# Altium PCB 400092.PcbDoc (part 1 of 3) (continued)
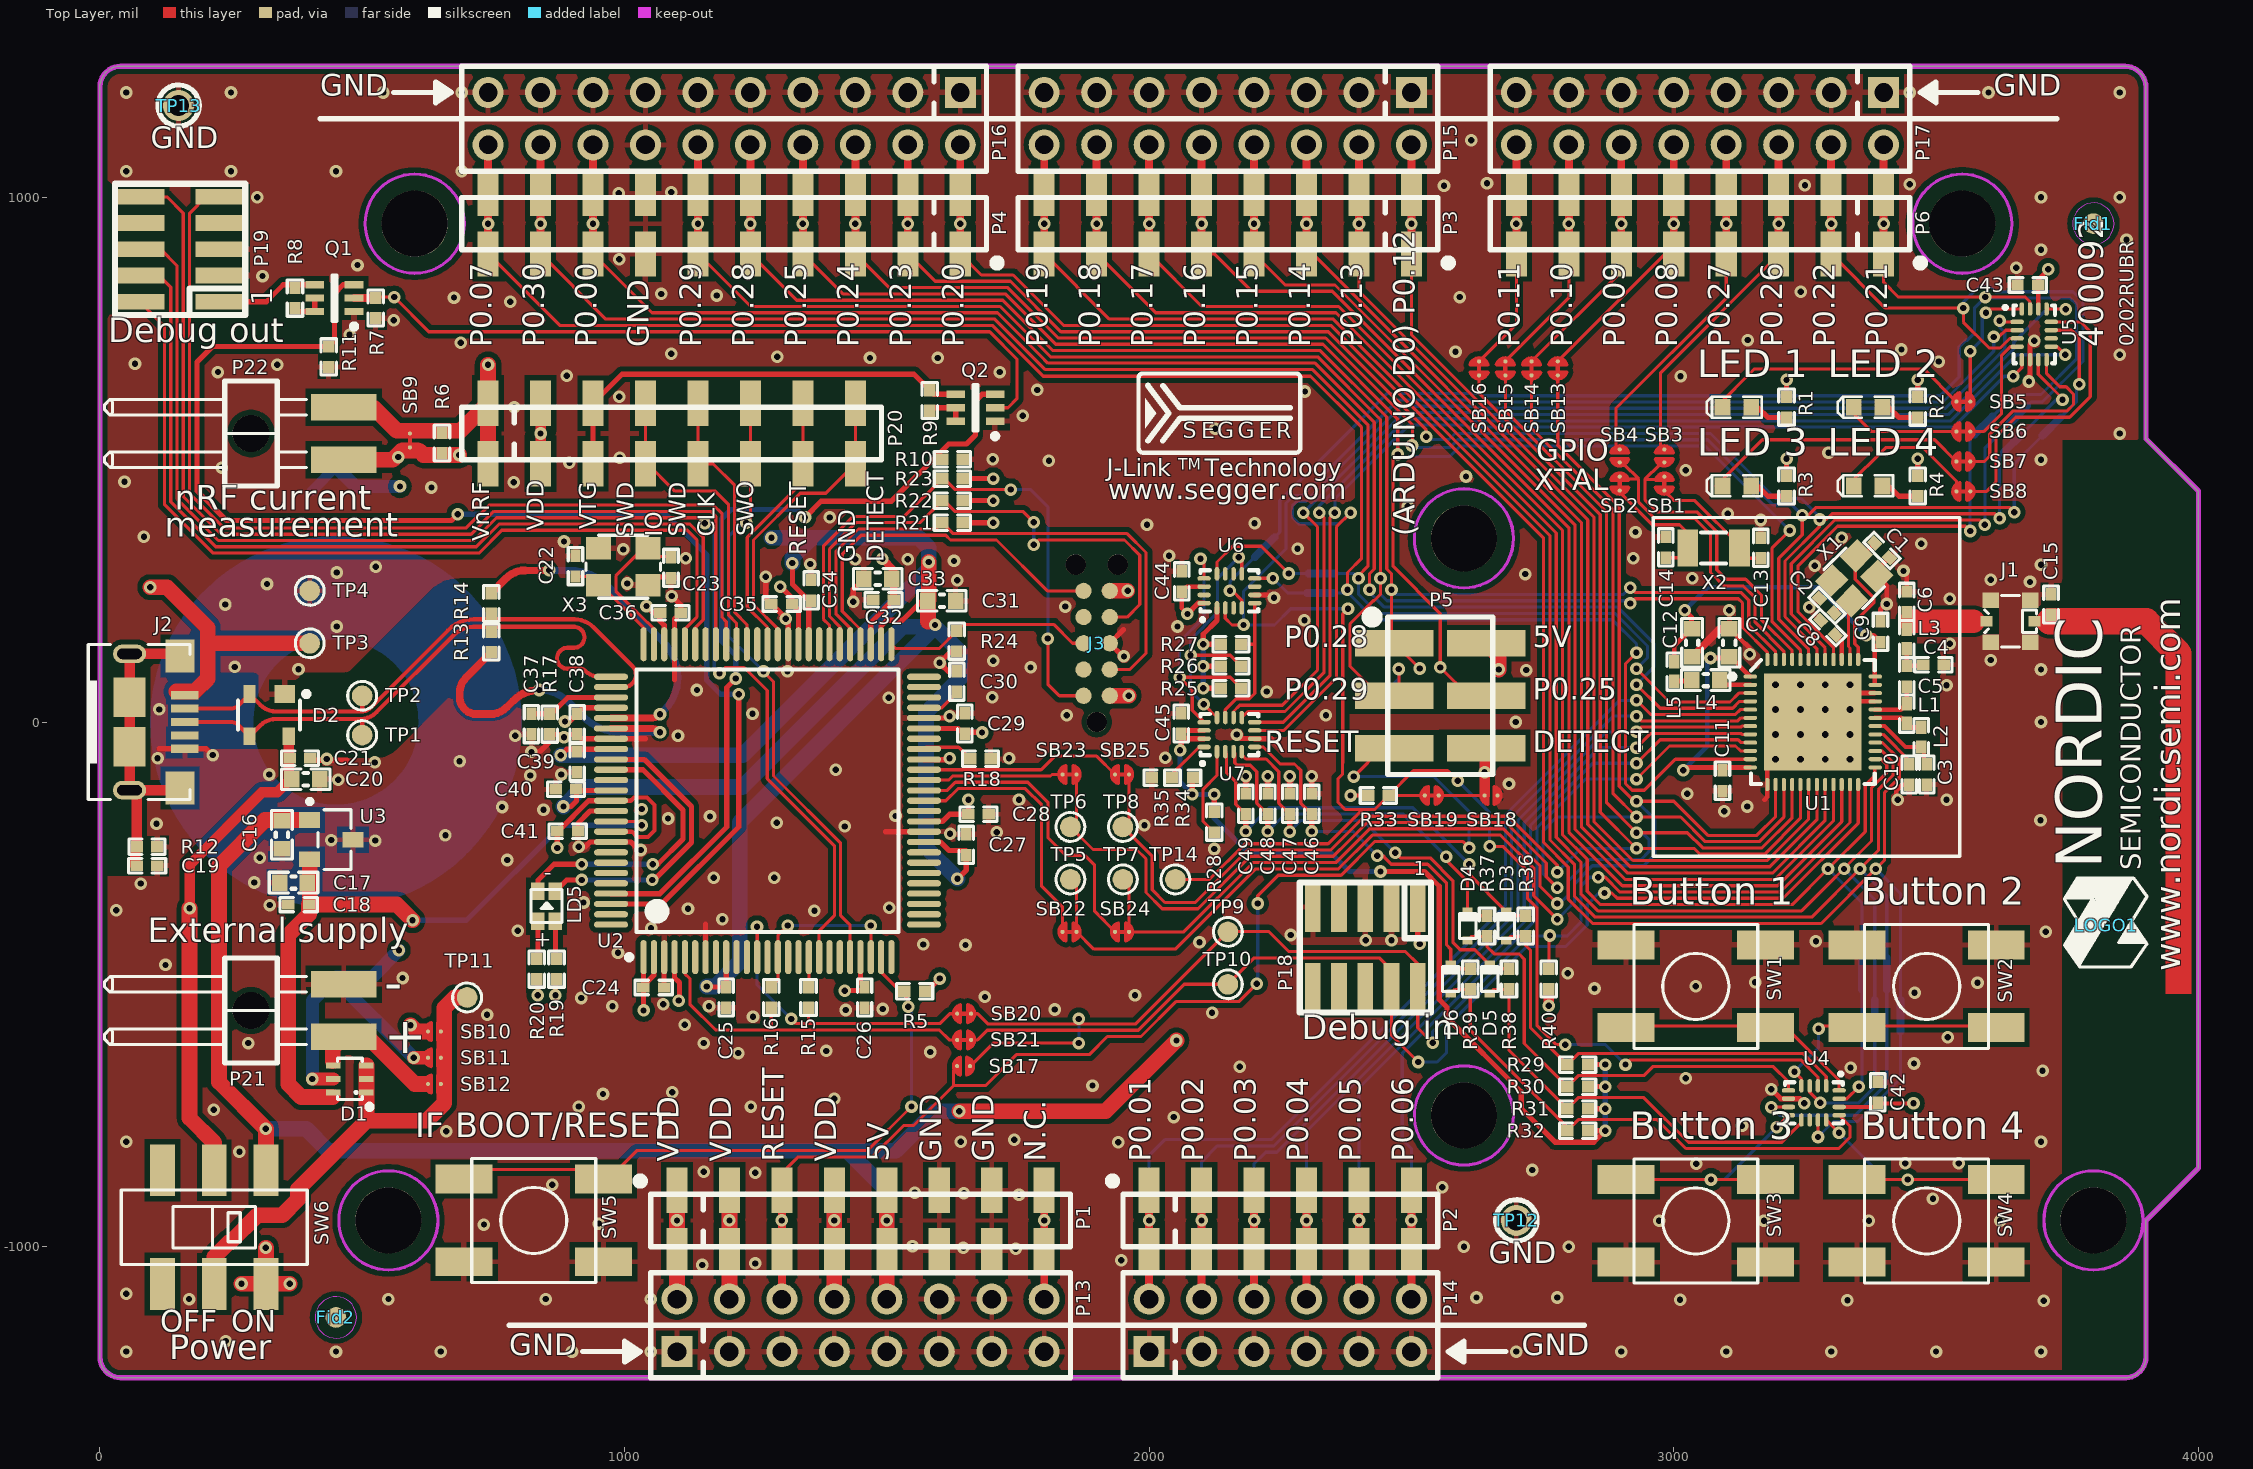
[diagram p0: Top Layer view]
## Components (designator, comment, footprint, x,y, rotation, side; value= is the part's Value field where it differs from the comment)
Bat1 "Bat Holder CR2032" CR2032_HOLDER_SMD 449.91,0 r270 bottom
C1 "12pF" CAPC1005X04L 3397,327 r315 top (schematic designator C7)
C2 "12pF" CAPC1005X04L 3292,222 r135 top
C3 "2.2nF" CAPC1005X04L 3482,-100 r270 top
C4 "1.0pF" CAPC1005X04L 3495,109 r0 top
C5 "3.9pF" CAPC1005X04L 3444,87 r90 top
C6 "1.5pF" CAPC1005X04L 3444,229 r90 top
C7 "4.7µF" CAPC1608X06L 3106,151 r90 top (schematic designator C9)
C8 "100nF" CAPC1005X04L 3294,180 r135 top (schematic designator C10)
C9 "1.0nF" CAPC1005X04L 3394,172 r90 top (schematic designator C8)
C10 "47nF" CAPC1005X04L 3449,-100 r270 top (schematic designator C11)
C11 "100nF" CAPC1005X04L 3093,-112 r270 top (schematic designator C12)
C12 "1.0µF" CAPC1608X06L 3035,151 r90 top (schematic designator C11)
C13 "12pF" CAPC1005X04L 3166.02,331.87 r90 top
C14 "12pF" CAPC1005X04L 2985.02,332.87 r90 top
C15 "1.2pF" CAPC1005X04L 3719,224 r90 top
C16 "1.0µF" CAPC1608X06L 347,-215 r90 top
C17 "1.0µF" CAPC1608X06L 369,-306 r0 top
C18 "100nF" CAPC1005X04L 379,-348 r0 top
C19 "100nF" CAPC1005X04L 90,-274 r180 top
C20 "10µF" CAPC1608X06L 392.61,-109 r180 top
C21 "100nF" CAPC1005X04L 381.61,-69 r180 top
C22 "18pF" CAPC1005X04L 906.61,297 r90 top
C23 "18pF" CAPC1005X04L 1088.61,294 r270 top
C24 "100nF" CAPC1005X04L 1055.61,-506 r180 top
C25 "100nF" CAPC1005X04L 1193.61,-525 r90 top
C26 "100nF" CAPC1005X04L 1457.61,-525 r90 top
C27 "100nF" CAPC1005X04L 1651.61,-234 r270 top
C28 "100nF" CAPC1005X04L 1674.61,-176 r180 top
C29 "100nF" CAPC1005X04L 1648.61,-3 r270 top
C30 "10nF" CAPC1005X04L 1633.61,77 r270 top
C31 "10µF" CAPC1608X06L 1605,231 r180 top
C32 "100nF" CAPC1005X04L 1493.61,233 r0 top
C33 "10µF" CAPC1608X06L 1482.61,273 r0 top
C34 "100nF" CAPC1005X04L 1355.61,251 r270 top
C35 "100nF" CAPC1005X04L 1299.61,225 r0 top
C36 "100nF" CAPC1005X04L 1087.61,208 r0 top
C37 "10pF" CAPC1005X04L 822.61,-4 r90 top
C38 "100nF" CAPC1005X04L 909.61,-4 r90 top
C39 "100nF" CAPC1005X04L 909.61,-76 r90 top
C40 "100nF" CAPC1005X04L 888.61,-128 r0 top
C41 "100nF" CAPC1005X04L 891.61,-208 r180 top
C42 "100nF" CAPC1005X04L 3389,-705.94 r270 top
C43 "100nF" CAPC1005X04L 3675,833 r0 top
C44 "100nF" CAPC1005X04L 2062,268 r270 top
C45 "100nF" CAPC1005X04L 2061,-3 r270 top
C46 "1.0µF" CAPC1005X04L 2310,-156 r270 top
C47 "1.0µF" CAPC1005X04L 2268,-156 r90 top
C48 "1.0µF" CAPC1005X04L 2226,-156 r90 top
C49 "1.0µF" CAPC1005X04L 2184,-156 r270 top
D1 "SD103ATW-7-F" SOT-363 508,-706 r90 top
D2 "PRTR5V0U2X" SOT190P230X110-4L 322.61,13 r270 top
D3 "1PS79SB30.115" SOD-523 2681,-389 r270 top
D4 "1PS79SB30.115" SOD-523 2607,-389 r270 top
D5 "1PS79SB30.115" SOD-523 2649,-490 r270 top
D6 "1PS79SB30.115" SOD-523 2575,-490 r270 top
Fid1 "Fiducial mark" Fiducial 3800,950 r180 top
Fid2 "Fiducial mark" Fiducial 450,-1135 r0 top
J1 "MM8130-2600" COAXIAL-SWF 3642,192 r90 top
J2 "MicroUSB-B" FCI_10118193-0001LF 161.84,0 r0 top
J3 "TC2050-IDC" TC2050-IDC-NLFP 1900,150 r90 top
L1 "4.7nH" INDC1005X04L 3444,16 r90 top
L2 "27nH" INDC1005X04L 3472,-29 r90 top
L3 "3.3nH" INDC1005X04L 3444,158 r90 top
L4 "10µH" INDC1608X06L 3061,80 r180 top (schematic designator L5)
L5 "15nH" INDC1005X04L 3001,96 r90 top (schematic designator L6)
LD5 "LTST-C195KGJRKT" LED_DUAL_0606 851.61,-351 r180 top (schematic designator LD3)
"LED 1" "L0603G" LED_0603_G 3120.37,600 r0 top
"LED 2" "L0603G" LED_0603_G 3370.37,600 r0 top
"LED 3" "L0603G" LED_0603_G 3120.37,450 r0 top
"LED 4" "L0603G" LED_0603_G 3370.37,450 r0 top
LOGO1 "Nordic Logo M" NORDIC_LOGO_M 3824,-387 r90 top
P1 "Socket 1x8" SOCKET_1x8_SMD 1100,-950 r0 top locked (schematic designator P11)
P2 "Socket 1x6" SOCKET_1x6_SMD 2000,-950 r0 top locked (schematic designator P12)
P3 "Socket 1x8" SOCKET_1x8_SMD 2500,950 r180 top locked (schematic designator P8)
P4 "Socket 1x10" SOCKET_1x10_SMD 1640,950 r180 top locked (schematic designator P9)
P5 "Pin Hdr 2x3" "Molex 15-91-2060" 2555,50 r270 top locked (schematic designator P6)
P6 "Socket 1x8" SOCKET_1x8_SMD 3400,950 r180 top locked (schematic designator P5)
P7 "Pin List 1x8" LIST_1x8_SMD 1100,-950 r0 bottom locked (schematic designator POWER)
P8 "Pin List 1x6" LIST_1x6_SMD 2000,-950 r0 bottom locked (schematic designator AD)
P9 "Pin List 1x8" LIST_1x8_SMD 2500,950 r180 bottom locked (schematic designator IOL)
P10 "Pin List 1x10" LIST_1x10_SMD 1640,950 r180 bottom locked (schematic designator IOH)
P11 "Socket 2x3" SOCKET_2x3_SMD-2.54mm-bottom 2555,50 r270 top locked (schematic designator ICSP)
P12 "Pin List 1x8" LIST_1x8_SMD 3400,950 r180 bottom locked
P13 "Pin Header 2x8" HDR_2x8 1450,-1150 r0 top locked
P14 "Pin Header 2x6" HDR_2x6 2250,-1150 r0 top locked
P15 "Pin Header 2x8" HDR_2x8 2150,1150 r180 top locked
P16 "Pin Header 2x10" HDR_2x10 1190,1150 r180 top locked
P17 "Pin Header 2x8" HDR_2x8 3050,1150 r180 top locked
P18 "FTSH-105" FTSH-105-K 2412,-429.83 r180 top
P19 "FTSH-105" FTSH-105-K 153,901 r90 top locked
P20 "Pin List 1x8" LIST_1x8_SMD 740,550 r0 top locked
P21 "Pin List 1x2, Angled" LIST_ANG_1x2-SMD-2.54MM 465,-550 r270 top
P22 "Pin List 1x2, Angled" LIST_ANG_1x2-SMD-2.54MM 465,550 r270 top
Q1 "FDG6321C" SOT65P210X100-6N 447,808 r180 top
Q2 "FDG6321C" SOT65P210X100-6N 1669,599 r180 top
R1 "220R" RESC1005X04L 3215,600 r90 top
R2 "220R" RESC1005X04L 3465,600 r90 top
R3 "220R" RESC1005X04L 3215,450 r90 top
R4 "220R" RESC1005X04L 3465,450 r90 top
R5 "10k" RESC1005X04L 1553,-513 r0 top
R6 "N.C." RESC1005X04L 652,532 r90 top
R7 "4k7" RESC1005X04L 526,789 r270 top
R8 "10k" RESC1005X04L 372,808 r270 top
R9 "10k" RESC1005X04L 1582,613 r270 top
R10 "10k" RESC1005X04L 1625,501 r180 top
R11 "10k" RESC1005X04L 436,696 r90 top
R12 "10k" RESC1005X04L 90,-238 r180 top
R13 "39R" RESC1005X04L 746.01,152.4 r90 top
R14 "39R" RESC1005X04L 746.01,225.94 r270 top
R15 "150R" RESC1005X04L 1350.61,-525 r270 top
R16 "150R" RESC1005X04L 1279.61,-525 r270 top
R17 "6k8" RESC1005X04L 857.61,-4 r90 top
R18 "1k" RESC1005X04L 1678.61,-70 r180 top
R19 "220R" RESC1005X04L 870.34,-471 r270 top
R20 "220R" RESC1005X04L 832.87,-471 r270 top
R21 "4k7" RESC1005X04L 1625,380 r0 top
R22 "4k7" RESC1005X04L 1625,422 r0 top
R23 "4k7" RESC1005X04L 1625,464 r0 top
R24 "4k7" RESC1005X04L 1633.61,154 r270 top
R25 "4k7" RESC1005X04L 2156,64.17 r180 top
R26 "4k7" RESC1005X04L 2156,106.17 r180 top
R27 "12k" RESC1005X04L 2156,148.17 r180 top
R28 "12k" RESC1005X04L 2124,-191 r90 top
R29 "12k" RESC1005X04L 2816.79,-653 r0 top
R30 "12k" RESC1005X04L 2816.79,-695 r0 top
R31 "12k" RESC1005X04L 2816.79,-737 r0 top
R32 "12k" RESC1005X04L 2816.79,-779 r0 top
R33 "1M0" RESC1005X04L 2437,-140 r180 top
R34 "N.C." RESC1005X04L 2064,-106 r0 top
R35 "0R" RESC1005X04L 2024.75,-106 r0 top
R36 "18k" RESC1005X04L 2718,-389 r270 top
R37 "18k" RESC1005X04L 2644,-389 r270 top
R38 "18k" RESC1005X04L 2686,-490 r270 top
R39 "18k" RESC1005X04L 2612,-490 r270 top
R40 "18k" RESC1005X04L 2762,-490 r270 top
SB1 "Solderbridge" Solderbridge_Shorted 2982,441 r90 top net-tie (schematic designator SB2)
SB2 "Solderbridge" Solderbridge_Shorted 2897,441 r90 top net-tie (schematic designator SB3)
SB3 "Solderbridge" Solderbridge#1 2982,495 r90 top (schematic designator SB4)
SB4 "Solderbridge" Solderbridge#1 2897,495 r90 top (schematic designator SB5)
SB5 "Solderbridge" Solderbridge_Shorted 3565.25,610.6 r180 top net-tie (schematic designator SB6)
SB6 "Solderbridge" Solderbridge_Shorted 3565.25,553.6 r180 top net-tie
SB7 "Solderbridge" Solderbridge_Shorted 3565.25,496.6 r180 top net-tie
SB8 "Solderbridge" Solderbridge_Shorted 3565.25,439.6 r180 top net-tie
SB9 "Solderbridge" Solderbridge_Shorted 591,550 r270 top net-tie
SB10 "Solderbridge" Solderbridge#1 650,-590 r180 top
SB11 "Solderbridge" Solderbridge#1 650,-640 r180 top
SB12 "Solderbridge" Solderbridge#1 650,-690 r180 top
SB13 "Solderbridge" Solderbridge_Shorted 2778.96,687.32 r270 top net-tie
SB14 "Solderbridge" Solderbridge_Shorted 2728.96,687.32 r270 top net-tie
SB15 "Solderbridge" Solderbridge_Shorted 2678.96,687.32 r270 top net-tie
SB16 "Solderbridge" Solderbridge_Shorted 2628.96,687.32 r270 top net-tie
SB17 "Solderbridge" Solderbridge#2 1634,-656 r0 top
SB18 "Solderbridge" Solderbridge#2 2664,-140 r180 top
SB19 "Solderbridge" Solderbridge_Shorted 2552,-140 r180 top net-tie
SB20 "Solderbridge" Solderbridge_Shorted 1634,-556 r0 top net-tie
SB21 "Solderbridge" Solderbridge_Shorted 1634,-606 r0 top net-tie
SB22 "Solderbridge" Solderbridge_Shorted 1835,-400 r0 top net-tie
SB23 "Solderbridge" Solderbridge_Shorted 1835,-100 r0 top net-tie
SB24 "Solderbridge" Solderbridge_Shorted 1935,-400 r0 top net-tie
SB25 "Solderbridge" Solderbridge_Shorted 1935,-100 r0 top net-tie
SW1 "PB SW" ALPS_SKHUxxx010_WO_GND 3042,-503.94 r0 top
SW2 "PB SW" ALPS_SKHUxxx010_WO_GND 3482,-503.94 r0 top
SW3 "PB SW" ALPS_SKHUxxx010_WO_GND 3042,-950.94 r0 top
SW4 "PB SW" ALPS_SKHUxxx010_WO_GND 3482,-950.94 r0 top
SW5 "PB SW" ALPS_SKHUxxx010_WO_GND 827,-950 r0 top
SW6 "Switch" JS202011SCQN 218,-963 r0 top
TP1 "Ø1.0mm,SMD" TP_SMD_Ø1.0mm 500,-25 r0 top
TP2 "Ø1.0mm,SMD" TP_SMD_Ø1.0mm 500,50 r0 top
TP3 "Ø1.0mm,SMD" TP_SMD_Ø1.0mm 400,150 r0 top
TP4 "Ø1.0mm,SMD" TP_SMD_Ø1.0mm 400,250 r0 top
TP5 "Ø1.0mm,SMD" TP_SMD_Ø1.0mm 1850,-300 r0 top locked
TP6 "Ø1.0mm,SMD" TP_SMD_Ø1.0mm 1850,-200 r0 top locked
TP7 "Ø1.0mm,SMD" TP_SMD_Ø1.0mm 1950,-300 r0 top locked
TP8 "Ø1.0mm,SMD" TP_SMD_Ø1.0mm 1950,-200 r0 top locked
TP9 "Ø1.0mm,SMD" TP_SMD_Ø1.0mm 2150,-400 r0 top locked
TP10 "Ø1.0mm,SMD" TP_SMD_Ø1.0mm 2150,-500 r0 top locked
TP11 "Ø1.0mm,SMD" TP_SMD_Ø1.0mm 700,-525 r270 top (schematic designator TP9)
TP12 "TP" TESTPAD-TH 2700,-950 r0 top
TP13 "TP" TESTPAD-TH 150,1175 r0 top
TP14 "Ø1.0mm,SMD" TP_SMD_Ø1.0mm 2050,-300 r0 top locked
U1 "nRF51422-QFAC" QFN40P600X600X90-48N 3265,0 r0 top locked
U2 "ATSAM3U2CA-AU" TSQFP50P1600X1600X160-100N 1272.61,-150 r90 top locked
U3 "AP7333-33SAG-7" SOT-23A 400,-187 r270 top
U4 "NX3DV2567" XQFN40P180X260X50-16N 3267,-725.94 r270 top
U5 "NX3DV2567" XQFN40P180X260X50-16N 3687,739 r0 top
U6 "NX3DV2567" XQFN40P180X260X50-16N 2153,250 r90 top
U7 "PCAL6408A" XQFN40P180X260X50-16N 2153,-24 r90 top
X1 "16MHz" BT-XTAL_2520 3344,274 r225 top
X2 "32.768kHz" XTAL_3215 3076.02,331.87 r180 top
X3 "12MHz" BT-XTAL_3225 997.61,296 r180 top

## Footprints (in the part's own frame and the unit in brackets; to place one, negate y for a bottom-side part, rotate by r counter-clockwise, add the part's x,y. Pads: shape width x height; smd on the part's side, far side on the other; paste and mask are expansions set on the pad)
ALPS_SKHUxxx010_WO_GND [mm] "6.2×6.5mm TACT Switch, without ground connector"
  rect 2.75x1.4 smd: 1(-3.375,2) 1(3.375,2) 2(-3.375,-2) 2(3.375,-2)
  silkscreen extent -3,-3 3,3, body extent -4,-3 4,3.3, height 3.1
BT-XTAL_2520 [mm] "TSX-2520"
  rect 1.2x1.1 smd: 1(-0.85,-0.7) 2(0.85,-0.7) 3(0.85,0.7) 4(-0.85,0.7)
  silkscreen extent -1.55,-1.33 1.53,1.33, body extent -1.25,-1 1.27,1, height 0.56
BT-XTAL_3225 [mm] "Mercury X32 series"
  rect 1.2x1.1 smd: 1(-1.194,-0.89) 2(1.194,-0.89) 3(1.194,0.891) 4(-1.194,0.891)
  silkscreen extent -1.8,-1.52 1.8,1.52, body extent -1.6,-1.25 1.61,1.25, height 0.81
CAPC1005X04L [mm] "Chip Capacitor, 2-Leads, Body 1.0x0.5mm, IPC High Density"
  rect 0.6x0.5 smd: 1(-0.5,0) 2(0.5,0)
  silkscreen extent -0.9,-0.35 0.9,0.35, body extent -0.51,-0.25 0.51,0.25, height 0.5
CAPC1608X06L [mm] "Chip Capacitor, 2-Leads, Body 1.6x0.8mm, IPC High Density"
  rect 0.75x0.8 smd: 1(-0.675,0) 2(0.675,0)
  silkscreen extent -1.18,-0.5 1.17,0.5, body extent -0.8,-0.43 0.8,0.43, height 0.8
COAXIAL-SWF [mm]
  rect 0.5x0.58 smd: 1(0,1.16) 3(0,-1.16)
  rect 0.75x0.8 smd: 2(-1.025,-0.95) 2(-1.025,0.95) 2(1.025,-0.95) 2(1.025,0.95)
  Top Layer pour cut-out: 0.65,-0.55 -0.65,-0.55 -0.65,-1.35 0.65,-1.35
  Top Layer pour cut-out: -0.65,0.55 0.65,0.55 0.65,1.35 -0.65,1.35
  silkscreen extent -1.25,-1.25 1.25,1.25
CR2032_HOLDER_SMD [mm] "CR2032 - SMD mount coin cell bat holder"
  rect 5.08x5.08 smd: 1(-13.081,0) 1(13.081,0)
  rrect50% 10x10 smd paste-9: 2(0,0)
  round 18 on Bottom Solder paste+0: 2(0,0)
  Top Layer circle w5: c0,0 r6.5
  silkscreen extent -10.54,-9.53 10.54,11.43, body extent -15.37,-10.27 15.37,9.78, height 3.96
FCI_10118193-0001LF [mm] "Micro USB B SMT"
  rect 1.35x0.4 smd: 1(0,1.3) 2(0,0.65) 3(0,0) 4(0,-0.65) 5(0,-1.3)
  oval 1.6x0.9 hole 0.5 slot 1.2 at 0 deg: 6(-2.675,-3.3) 6(-2.675,3.3)
  oval 2x1.5 on Top Paste: 6(-2.675,-3.3) 6(-2.675,3.3)
  rect 1.55x1.9 smd: 6(-2.675,-1.2) 6(-2.675,1.2)
  rect 1.4x1.6 smd: 6(-0.225,-3.2) 6(-0.225,3.2)
  silkscreen extent -4.75,-3.75 0.25,3.75, body extent -5.28,-4.1 0.15,4.1, height 2.72
Fiducial [mm] "Fiducial Mark"
  round 1 smd paste-10 mask+0.5: 0(0,0)
  round 1 smd far side paste-10 mask+0.5: 0(0,0)
  Keep-Out Layer circle w0.01: c0,0 r1
FTSH-105-K [mm] "SMT MICRO HEADER, (1,27) .050\" Keying Shroud"
  rect 0.76x2.4 smd: 1(-2.54,-1.95) 2(-2.54,1.95) 3(-1.27,-1.95) 4(-1.27,1.95) 5(0,-1.95) 6(0,1.95) 7(1.27,-1.95) 8(1.27,1.95) 9(2.54,-1.95) 10(2.54,1.95)
  silkscreen extent -3.18,-3.15 3.18,3.15, body extent -3.14,-2.92 3.14,2.92, height 5.71
HDR_2x6 [mm] "Pin Header, 2.54mm through hole"
  rect 1.5x1.5 hole 0.9: 1(-6.35,-1.27)
  round 1.5 hole 0.9: 2(-6.35,1.27) 3(-3.81,-1.27) 4(-3.81,1.27) 5(-1.27,-1.27) 6(-1.27,1.27) 7(1.27,-1.27) 8(1.27,1.27) 9(3.81,-1.27) 10(3.81,1.27) 11(6.35,-1.27) 12(6.35,1.27)
  silkscreen extent -7.62,-2.54 7.62,2.54
HDR_2x8 [mm] "Pin Header, 2.54mm through hole"
  rect 1.5x1.5 hole 0.9: 1(-8.89,-1.27)
  round 1.5 hole 0.9: 2(-8.89,1.27) 3(-6.35,-1.27) 4(-6.35,1.27) 5(-3.81,-1.27) 6(-3.81,1.27) 7(-1.27,-1.27) 8(-1.27,1.27) 9(1.27,-1.27) 10(1.27,1.27) 11(3.81,-1.27) 12(3.81,1.27) 13(6.35,-1.27) 14(6.35,1.27) 15(8.89,-1.27) 16(8.89,1.27)
  silkscreen extent -10.16,-2.54 10.16,2.54
HDR_2x10 [mm] "Pin Header, 2.54mm through hole"
  rect 1.5x1.5 hole 0.9: 1(-11.43,-1.27)
  round 1.5 hole 0.9: 2(-11.43,1.27) 3(-8.89,-1.27) 4(-8.89,1.27) 5(-6.35,-1.27) 6(-6.35,1.27) 7(-3.81,-1.27) 8(-3.81,1.27) 9(-1.27,-1.27) 10(-1.27,1.27) 11(1.27,-1.27) 12(1.27,1.27) 13(3.81,-1.27) 14(3.81,1.27) 15(6.35,-1.27) 16(6.35,1.27) 17(8.89,-1.27) 18(8.89,1.27) 19(11.43,-1.27) 20(11.43,1.27)
  silkscreen extent -12.7,-2.54 12.7,2.54
INDC1005X04L [mm] "Chip Inductor, 2-Leads, Body 1.0x0.5mm, IPC High Density"
  rect 0.65x0.5 smd: 1(-0.475,0) 2(0.475,0)
  silkscreen extent -0.9,-0.35 0.9,0.35, body extent -0.5,-0.3 0.5,0.3, height 0.5
INDC1608X06L [mm] "Chip Inductor, 2-Leads, Body 1.6x0.8mm, IPC High Density"
  rect 0.75x0.8 smd: 1(-0.675,0) 2(0.675,0)
  silkscreen extent -1.18,-0.5 1.17,0.5, body extent -0.8,-0.48 0.8,0.48, height 0.8
JS202011SCQN [mm] "Slide Switches - DPDT, SMD, ON-ON"
  rect 1.2x2.5 smd: 1(-2.5,-2.75) 2(0,-2.75) 3(2.5,-2.75) 4(-2.5,2.75) 5(0,2.75) 6(2.5,2.75)
  silkscreen extent -4.5,-1.8 4.5,1.8, body extent -4.52,-3.75 4.52,3.75, height 5.5
LED_0603_G [mil] "SMD Super Bright LED, GREEN"
  rect 30x32 smd: 1(-27.5,0) 2(27.5,0)
  silkscreen extent -58,-20 48,20, body extent -32,-16 32,16, height 24
LED_DUAL_0606 [mm]
  rect 0.65x0.85 smd paste+0: 1(0.425,0.725) 2(-0.425,0.725) 3(0.425,-0.725) 4(-0.425,-0.725)
  silkscreen extent -0.75,-0.8 0.75,0.8, body extent -0.75,-0.8 0.75,0.8, height 0.55
LIST_1x6_SMD [mm] "Pin List, 2.54mm, SMD"
  rect 1.02x2.19 smd: 1(0,-1.465) 1(0,1.465) 2(2.54,-1.465) 2(2.54,1.465) 3(5.08,-1.465) 3(5.08,1.465) 4(7.62,-1.465) 4(7.62,1.465) 5(10.16,-1.465) 5(10.16,1.465) 6(12.7,-1.465) 6(12.7,1.465)
  silkscreen extent -1.27,-1.27 13.97,1.27
LIST_1x8_SMD [mm] "Pin List, 2.54mm, SMD"
  rect 1.02x2.19 smd: 1(0,-1.465) 1(0,1.465) 2(2.54,-1.465) 2(2.54,1.465) 3(5.08,-1.465) 3(5.08,1.465) 4(7.62,-1.465) 4(7.62,1.465) 5(10.16,-1.465) 5(10.16,1.465) 6(12.7,-1.465) 6(12.7,1.465) 7(15.24,-1.465) 7(15.24,1.465) 8(17.78,-1.465) 8(17.78,1.465)
  silkscreen extent -1.27,-1.27 19.05,1.27
LIST_1x10_SMD [mm] "Pin List, 2.54mm, SMD"
  rect 1.02x2.19 smd: 1(0,-1.465) 1(0,1.465) 2(2.54,-1.465) 2(2.54,1.465) 3(5.08,-1.465) 3(5.08,1.465) 4(7.62,-1.465) 4(7.62,1.465) 5(10.16,-1.465) 5(10.16,1.465) 6(12.7,-1.465) 6(12.7,1.465) 7(15.24,-1.465) 7(15.24,1.465) 8(17.78,-1.465) 8(17.78,1.465) 9(20.32,-1.465) 9(20.32,1.465) 10(22.86,-1.465) 10(22.86,1.465)
  silkscreen extent -1.27,-1.27 24.13,1.27
LIST_ANG_1x2-SMD-2.54MM [mm] "Pin List, 2.54mm, Surface Mount, Angled"
  round 1.78 hole 1.78: 0(0,-4.496)
  rect 1.27x3.18 smd: 1(-1.27,0) 2(1.27,0)
  silkscreen extent -2.54,-11.58 2.54,-1.8, body extent -2.56,-11.61 2.52,1.35, height 3.03
"Molex 15-91-2060" [mil] "MOLEX - 15-91-2060 - BOARD-BOARD CONN, HEADER, 6WAY, 2ROW"
  rect 50x150 smd: 1(-100,-87.5) 2(-100,87.5) 3(0,-87.5) 4(0,87.5) 5(100,-87.5) 6(100,87.5)
  silkscreen extent -160,-140 150,100, body extent -150,-148 150,148, height 382
NORDIC_LOGO_M [mil] "Medium Nordic Logo"
  silkscreen extent -80,-78 90,80
QFN40P600X600X90-48N [mm] "QFN, 48-Leads, Body 6,0x6,0mm (max), Pitch 0,40mm, IPC Medium Density"
  oval 0.65x0.2 smd: 1(-3.025,2.2) 2(-3.025,1.8) 3(-3.025,1.4) 4(-3.025,1) 5(-3.025,0.6) 6(-3.025,0.2) 7(-3.025,-0.2) 8(-3.025,-0.6) 9(-3.025,-1) 10(-3.025,-1.4) 11(-3.025,-1.8) 12(-3.025,-2.2) 25(3.025,-2.2) 26(3.025,-1.8) 27(3.025,-1.4) 28(3.025,-1) 29(3.025,-0.6) 30(3.025,-0.2) 31(3.025,0.2) 32(3.025,0.6) 33(3.025,1) 34(3.025,1.4) 35(3.025,1.8) 36(3.025,2.2)
  oval 0.2x0.65 smd: 13(-2.2,-3.025) 14(-1.8,-3.025) 15(-1.4,-3.025) 16(-1,-3.025) 17(-0.6,-3.025) 18(-0.2,-3.025) 19(0.2,-3.025) 20(0.6,-3.025) 21(1,-3.025) 22(1.4,-3.025) 23(1.8,-3.025) 24(2.2,-3.025) 37(2.2,3.025) 38(1.8,3.025) 39(1.4,3.025) 40(1,3.025) 41(0.6,3.025) 42(0.2,3.025) 43(-0.2,3.025) 44(-0.6,3.025) 45(-1,3.025) 46(-1.4,3.025) 47(-1.8,3.025) 48(-2.2,3.025)
  rect 4.7x4.7 smd: 49(0,0)
  silkscreen extent -4.02,-3 3,3, body extent -3,-3 3,3, height 0.9
RESC1005X04L [mm] "Chip Resistor, 2-Leads, Body 1.0x0.5mm, IPC High Density"
  rect 0.6x0.55 smd: 1(-0.5,0) 2(0.5,0)
  silkscreen extent -0.88,-0.38 0.87,0.37, body extent -0.5,-0.25 0.5,0.25, height 0.3
SOCKET_1x6_SMD [mm] "Socket, 2.54mm, SMD"
  rect 1.02x2.19 smd: 1(0,-1.465) 1(0,1.465) 2(2.54,-1.465) 2(2.54,1.465) 3(5.08,-1.465) 3(5.08,1.465) 4(7.62,-1.465) 4(7.62,1.465) 5(10.16,-1.465) 5(10.16,1.465) 6(12.7,1.465) 6(12.7,-1.465)
  silkscreen extent -1.27,-1.27 13.97,1.27, body extent -1.27,-2.29 13.97,2.29, height 7.47
SOCKET_1x8_SMD [mm] "Socket, 2.54mm, SMD"
  rect 1.02x2.19 smd: 1(0,-1.465) 1(0,1.465) 2(2.54,-1.465) 2(2.54,1.465) 3(5.08,-1.465) 3(5.08,1.465) 4(7.62,-1.465) 4(7.62,1.465) 5(10.16,-1.465) 5(10.16,1.465) 6(12.7,1.465) 6(12.7,-1.465) 7(15.24,-1.465) 7(15.24,1.465) 8(17.78,-1.465) 8(17.78,1.465)
  silkscreen extent -1.27,-1.27 19.05,1.27, body extent -1.27,-2.29 19.05,2.29, height 7.47
SOCKET_1x10_SMD [mm] "Socket, 2.54mm, SMD"
  rect 1.02x2.19 smd: 1(0,1.465) 1(0,-1.465) 2(2.54,-1.465) 2(2.54,1.465) 3(5.08,-1.465) 3(5.08,1.465) 4(7.62,-1.465) 4(7.62,1.465) 5(10.16,-1.465) 5(10.16,1.465) 6(12.7,-1.465) 6(12.7,1.465) 7(15.24,-1.465) 7(15.24,1.465) 8(17.78,-1.465) 8(17.78,1.465) 9(20.32,-1.465) 9(20.32,1.465) 10(22.86,-1.465) 10(22.86,1.465)
  silkscreen extent -1.27,-1.27 24.13,1.27, body extent -1.27,-2.29 24.13,2.29, height 7.47
SOCKET_2x3_SMD-2.54mm-bottom [mm] "Socket, 2.54mm, SMD"
  rect 1.02x2.22 smd far side: 1(-2.54,-2.825) 2(-2.54,2.825) 3(0,-2.825) 4(0,2.825) 5(2.54,-2.825) 6(2.54,2.825)
SOD-523 [mm]
  rect 0.4x0.5 smd: 1(0.7,0) 3(-0.7,0)
  silkscreen extent -0.6,-0.4 0.6,0.4, body extent -0.8,-0.4 0.8,0.4, height 0.7
Solderbridge#1 [mm]
  round 0.2 smd paste-10: 1(0,0) 2(0.625,0)
  Top Layer region: 0.389,0.432 0.465,0.505 0.583,0.467 0.648,0.424 0.721,0.351 0.775,0.292 0.833,0.193 0.861,0.099 0.856,-0.122 0.831,-0.193 0.747,-0.33 0.663,-0.411 0.571,-0.469 0.47,-0.5 0.419,-0.483 0.389,-0.43
  Top Layer region: 0.236,-0.432 0.16,-0.505 0.042,-0.467 -0.023,-0.424 -0.097,-0.351 -0.15,-0.292 -0.208,-0.193 -0.236,-0.099 -0.231,0.122 -0.206,0.193 -0.122,0.33 -0.038,0.411 0.054,0.469 0.155,0.5 0.206,0.483 0.236,0.43
  Top Layer lines w0.152: 0.159,0.431 ccw(c0.27,0) 0.159,-0.431 ; 0.465,0.431 cw(c0.355,0) 0.465,-0.431
Solderbridge#2 [mm]
  round 0.2 smd paste-10: 1(0,0) 2(0.625,0)
  Top Layer region: 0.236,-0.432 0.16,-0.505 0.042,-0.467 -0.023,-0.424 -0.097,-0.351 -0.15,-0.292 -0.208,-0.193 -0.236,-0.099 -0.231,0.122 -0.206,0.193 -0.122,0.33 -0.038,0.411 0.054,0.469 0.155,0.5 0.206,0.483 0.236,0.43
  Top Layer region: 0.389,0.432 0.465,0.505 0.583,0.467 0.648,0.424 0.721,0.351 0.775,0.292 0.833,0.193 0.861,0.099 0.856,-0.122 0.831,-0.193 0.747,-0.33 0.663,-0.411 0.571,-0.469 0.47,-0.5 0.419,-0.483 0.389,-0.43
  Top Layer lines w0.152: 0.159,-0.431 cw(c0.27,0) -0.149,-0.149 cw(c0.27,0) 0.159,0.431 ; 0.465,-0.431 ccw(c0.355,0) 0.774,0.149 ccw(c0.355,0) 0.465,0.431
Solderbridge_Shorted [mm]
  round 0.2 smd paste-10: 1(0,0) 2(0.676,0)
  Top Layer region: 0.236,-0.432 0.16,-0.505 0.042,-0.467 -0.023,-0.424 -0.097,-0.351 -0.15,-0.292 -0.208,-0.193 -0.236,-0.099 -0.231,0.122 -0.206,0.193 -0.122,0.33 -0.038,0.411 0.054,0.469 0.155,0.5 0.206,0.483 0.236,0.43
  Top Layer region: 0.44,0.432 0.516,0.505 0.634,0.467 0.699,0.424 0.772,0.351 0.826,0.292 0.884,0.193 0.912,0.099 0.907,-0.122 0.881,-0.193 0.798,-0.33 0.714,-0.411 0.622,-0.469 0.521,-0.5 0.47,-0.483 0.44,-0.43
  Top Layer lines w0.152: 0.159,0.431 ccw(c0.27,0) 0.159,-0.431 ; 0.516,0.431 cw(c0.406,0) 0.516,-0.431
  Top Layer lines w0.203: 0,0 0.676,0
SOT65P210X100-6N [mm] "SOT23, 6-Leads, Body 2,2x2,4mm (max), Pitch 0,65mm, IPC Medium Density"
  rect 0.9x0.35 smd: 1(-0.95,0.65) 2(-0.95,0) 3(-0.95,-0.65) 4(0.95,-0.65) 5(0.95,0) 6(0.95,0.65)
  silkscreen extent -1.08,-1.1 0.1,1.5, body extent -1.05,-1 1.05,1, height 0.92
SOT190P230X110-4L [mm] "SOT143, 4-Leads, Body 3.0x2.5mm (max), Pitch 1.90mm, IPC High Density"
  rect 0.85x1 smd: 1(-1.025,0.75)
  rect 0.85x0.6 smd: 2(-1.025,-0.95) 3(1.025,-0.95) 4(1.025,0.95)
  silkscreen extent -1.15,-1.5 0.7,1.93, body extent -1.21,-1.46 1.21,1.46, height 1
SOT-23A [mil] "SOT-23 footprint"
  rect 30x40 smd: 1(0,0) 2(74.8,0) 3(37.4,82.68)
  silkscreen extent -39,-4 94,79, body extent -20,-5 95,87, height 39
SOT-363 [mm] "SOT-363 (SC88)"
  rect 0.3x0.7 smd: 1(0,0) 2(0.65,0) 3(1.3,0) 4(1.3,1.6) 5(0.65,1.6) 6(0,1.6)
  silkscreen extent -0.82,-0.27 1.65,1.4, body extent -0.35,-0.25 1.65,1.85, height 0.93
TC2050-IDC-NLFP [mil]
  round 39 hole 39 unplated: 0(-150,0) 0(150,-40) 0(150,40)
  round 31 smd paste-196.85: 1(-100,-25) 2(-50,-25) 3(0,-25) 4(50,-25) 5(100,-25) 6(100,25) 7(50,25) 8(0,25) 9(-50,25) 10(-100,25)
  Top Layer pour cut-out: -100,25 -100,-25 100,-25 100,25
TESTPAD-TH [mm]
  round 1.5 hole 1: 1(0,0)
  silkscreen extent -1,-1 1,1
TP_SMD_Ø1.0mm [mm]
  round 1 smd paste-5: 1(0,0)
  silkscreen extent -0.7,-0.7 0.7,0.7
TSQFP50P1600X1600X160-100N [mm] "TSQFP, 100-Leads, Body 16,0x16,0mm (max), Pitch 0,50mm, IPC Medium Density"
  oval 1.65x0.3 smd: 1(-7.575,6) 2(-7.575,5.5) 3(-7.575,5) 4(-7.575,4.5) 5(-7.575,4) 6(-7.575,3.5) 7(-7.575,3) 8(-7.575,2.5) 9(-7.575,2) 10(-7.575,1.5) 11(-7.575,1) 12(-7.575,0.5) 13(-7.575,0) 14(-7.575,-0.5) 15(-7.575,-1) 16(-7.575,-1.5) 17(-7.575,-2) 18(-7.575,-2.5) 19(-7.575,-3) 20(-7.575,-3.5) 21(-7.575,-4) 22(-7.575,-4.5) 23(-7.575,-5) 24(-7.575,-5.5) 25(-7.575,-6) 51(7.575,-6) 52(7.575,-5.5) 53(7.575,-5) 54(7.575,-4.5) 55(7.575,-4) 56(7.575,-3.5) 57(7.575,-3) 58(7.575,-2.5) 59(7.575,-2) 60(7.575,-1.5) 61(7.575,-1) 62(7.575,-0.5) 63(7.575,0) 64(7.575,0.5) 65(7.575,1) 66(7.575,1.5) 67(7.575,2) 68(7.575,2.5) 69(7.575,3) 70(7.575,3.5) 71(7.575,4) 72(7.575,4.5) 73(7.575,5) 74(7.575,5.5) 75(7.575,6)
  oval 0.3x1.65 smd: 26(-6,-7.575) 27(-5.5,-7.575) 28(-5,-7.575) 29(-4.5,-7.575) 30(-4,-7.575) 31(-3.5,-7.575) 32(-3,-7.575) 33(-2.5,-7.575) 34(-2,-7.575) 35(-1.5,-7.575) 36(-1,-7.575) 37(-0.5,-7.575) 38(0,-7.575) 39(0.5,-7.575) 40(1,-7.575) 41(1.5,-7.575) 42(2,-7.575) 43(2.5,-7.575) 44(3,-7.575) 45(3.5,-7.575) 46(4,-7.575) 47(4.5,-7.575) 48(5,-7.575) 49(5.5,-7.575) 50(6,-7.575) 76(6,7.575) 77(5.5,7.575) 78(5,7.575) 79(4.5,7.575) 80(4,7.575) 81(3.5,7.575) 82(3,7.575) 83(2.5,7.575) 84(2,7.575) 85(1.5,7.575) 86(1,7.575) 87(0.5,7.575) 88(0,7.575) 89(-0.5,7.575) 90(-1,7.575) 91(-1.5,7.575) 92(-2,7.575) 93(-2.5,7.575) 94(-3,7.575) 95(-3.5,7.575) 96(-4,7.575) 97(-4.5,7.575) 98(-5,7.575) 99(-5.5,7.575) 100(-6,7.575)
  silkscreen extent -7.7,-6.35 6.35,6.82, body extent -8,-8 8,8, height 1.6
XQFN40P180X260X50-16N [mm] "QFN, 16-Leads, Body 1.80x2.60mm, Pitch 0.40mm, IPC Medium Density"
  oval 0.65x0.22 smd paste-0.02 mask+0.062: 1(-0.825,0.6) 2(-0.825,0.2) 3(-0.825,-0.2) 4(-0.825,-0.6) 9(0.825,-0.6) 10(0.825,-0.2) 11(0.825,0.2) 12(0.825,0.6)
  oval 0.22x0.65 smd paste-0.02 mask+0.062: 5(-0.6,-1.225) 6(-0.2,-1.225) 7(0.2,-1.225) 8(0.6,-1.225) 13(0.6,1.225) 14(0.2,1.225) 15(-0.2,1.225) 16(-0.6,1.225)
  silkscreen extent -1.45,-1.4 1,1.4, body extent -0.91,-1.31 0.91,1.31, height 0.55
XTAL_3215 [mm] "XTAL SMD 3.2 x 1.5 mm"
  rect 1x1.8 smd: 1(-1.25,0) 2(1.25,0)
  silkscreen extent -0.6,-0.75 0.6,0.75, body extent -1.6,-0.75 1.6,0.75, height 0.81

## Part data
Bat1: library part "Bat Holder CR2032 SMD", "Bat Holder CR2032 SMD"
C1 C2 C13 C14: library part C0402-12p, "Capacitor, NP0, ±2%"
C3: library part C0402-2n2, "Capacitor, X7R, ±10%"
C4: library part C0402-1.0p, "Capacitor, NP0, ±0.1pF"
C5: library part C0402-3.9p, "Capacitor, NP0, ±0.1pF"
C6: library part C0402-1.5p, "Capacitor, NP0, ±0.1pF"
C7: library part C0603-4µ7, "Capacitor, X5R, ±10%"
C8 C11 C18 C19 C21 C24 C25 C26 C27 C28 C29 C32 C34 C35 C36 C38 C39 C40 C41 C42 C43 C44 C45: library part C0402-100n, "Capacitor, X7R, ±10%"
C9: library part C0402-1n0, "Capacitor, X7R, ±10%"
C10: library part C0402-47n, "Capacitor, X7R, ±10%"
C12 C16 C17: library part C0603-1µ0, "Capacitor, X7R, ±10%"
C15: library part C0402-1.2p, "Capacitor, NP0, ±0.1pF"
C20 C31 C33: library part C0603-10µ, "Capacitor, X5R, ±20%"
C22 C23: library part C0402-18p, "Capacitor, NP0, ±5%"
C30: library part C0402-10n, "Capacitor, X7R, ±10%"
C37: library part C0402-10p, "Capacitor, NP0, ±2%"
C46 C47 C48 C49: library part C0402-1µ0, "Capacitor, X5R, ±5%"
D1: "Surface Mount Schottky Barrier Diode Array"
D2: "Ultra low capacitance double rail-to-rail ESD protection diode"
D3 D4 D5 D6: "Diode Schottky Vf=0.38, Vr=40V, If=200mA, Ir=500nA"
Fid1 Fid2: library part Fid-Mark, "Fiducial Mark"
J1: "Coaxial Connector with Switch"
J2: library part "FCI 10118193-0001LF", "MicroUSB-B-SMT"
J3: library part TC2050-IDC-NLFP, "CBL PLUG-OF-NAILS 10-PIN"
L1: library part L0402-4n7, "Inductor, 160mA, ±0.1nH"
L2: library part L0402-27n, "Inductor, 70mA, ±2%"
L3: library part L0402-3n3, "Inductor, 190mA, ±0.1nH"
L4: library part L0603-10µ, "Inductor, 80mA, ±10%"
L5: library part L0402-15n, "Inductor, 320mA, ±5%"
LD5: "Ultra bright AlInGaP Bi-Color LED"
"LED 1" "LED 2" "LED 3" "LED 4": library part "LG L29K Smartled Green", "LED SMARTLED GREEN 570NM 0603"
LOGO1: "Nordic Logo, medium size"
P1 P3 P6: library part "Socket 1x8 SMD", "Socket 1x8, 2.54mm (100mil), SMD"
P2: library part "Socket 1x6 SMD", "Socket 1x6, 2.54mm (100mil), SMD"
P4: library part "Socket 1x10 SMD", "Socket 1x10, 2.54mm (100mil), SMD"
P5: library part "Pin Header 2x3 SMD", "Pin Header 2x3, 2.54mm (100mil) SMD"
P7 P9 P12 P20: library part "Pin List 1x8 SMD", "Pin List 1x8, 2.54mm (100mil), SMD"
P8: library part "Pin List 1x6 SMD", "Pin List 1x6, 2.54mm (100mil), SMD"
P10: library part "Pin List 1x10 SMD", "Pin List 1x10, 2.54mm (100mil), SMD"
P11: library part "Socket 2x3 SMD Bottom", "Socket 2x3, 2.54mm (100mil), SMD"
P13 P15 P17: "Pin Header 2x8, 2.54mm (100mil)"
P14: "Pin Header 2x6, 2.54mm (100mil)"
P16: "Pin Header 2x10, 2.54mm (100mil)"
P18 P19: library part "Samtec FTSH-105 Keying Shroud", "SAMTEC - CONN HEADER 10POS DUAL .05\" SMD KEYING SHROUD"
P21 P22: library part "Pin List Ang 1x2 SMD, 2.54mm", "Pin List 1x2, 2.54mm (100mil), Right Angled, SMD"
Q1 Q2: library part FDG6321C_IPC, "Fairchild, FDG6321C, Dual N & P Channel Digital FET"
R1 R2 R3 R4 R19 R20: library part R0402-220, "Resistor, ±1%, 0.063W"
R5 R8 R9 R10 R11 R12: library part R0402-10k, "Resistor, ±1%, 0.063W"
R6 R34: library part R0402-N.C., "Not mounted"
R7 R21 R22 R23 R24 R25 R26: library part R0402-4k7, "Resistor, ±1%, 0.063W"
R13 R14: library part R0402-39R, "Resistor, ±1%, 0.063W"
R15 R16: library part R0402-150, "Resistor, ±1%, 0.063W"
R17: library part R0402-6k8, "Resistor, ±1%, 0.063W"
R18: library part R0402-1k0, "Resistor, ±1%, 0.063W"
R27 R28 R29 R30 R31 R32: library part R0402-12k, "Resistor, ±1%, 0.063W"
R33: library part R0402-1M0, "Resistor, ±1%, 0.063W"
R35: library part R0402-0R, "Resistor, ±5%, 0.063W"
R36 R37 R38 R39 R40: library part R0402-18k, "Resistor, ±1%, 0.063W"
SB1 SB2 SB5 SB6 SB7 SB8 SB9 SB13 SB14 SB15 SB16 SB19 SB20 SB21 SB22 SB23 SB24 SB25: library part "Solderbridge Shorted", "Shorted Solderbridge"
SW1 SW2 SW3: library part ALPS_SKHUALE010, "ALPS - SKHUALE010 - TACTILE SWITCH, SPNO, SMD, 6.5x6.2x2.5mm"
SW4 SW5: library part ALPS_SKHUALE010, "ALPS - SKHUALE010 - Tactile Switch, SPNO, SMD, 6.5x6.2x2.5mm"
SW6: library part JS202011SCQN, "SMD slide Switch (ON-ON)"
TP1 TP2 TP3 TP4 TP5 TP6 TP7 TP8 TP9 TP10 TP11 TP14: library part TP_SMD_Ø1.0MM, "1.0mm circular SMD testpad"
TP12 TP13: library part "Testpoint TH", "Testpoint, through hole"
U1: library part nRF51422-QFAC-XLR3+, "Multi-protocol Bluetooth Low Energy, ANT and 2.4GHz proprietary system-on-chip"
U2: "IC MCU 32bit 128kB flash 100LQFP"
U3: "300mA, Low Quiescent Current, Fast Transient Low Dropout Linear Regulator"
U4 U5 U6: library part NX3DV2567GU, "Low-ohmic four-pole double-throw analog switch"
U7: library part PCAL6408AHK, "8-bit I2C-bus I/O expander with interrupt output"
X1: library part NX2520SA-16MHZ-STD-CSW-5, "XTAL SMD 2520, 16MHz, 8pF, ±15ppm"
X2: library part "XTAL_FC-135 32.768k", "EPSON TOYOCOM - FC-135 32.768KHZ ±20PPM,9.0PF - CRYSTAL, SM, WATCH"
X3: library part "XTAL SMD 12MHz (3225)", "XTAL SMD 3225, 12MHz, 18pF, ±30ppm"

## Free pads (board coordinates)
  round 126 hole 126: 1(550,-950) 1(600,950) 1(2600,-750) 1(2600,350) 1(3550,950) 1(3800,-950)

## Via types
v1: diameter 24, hole 12, Top Layer to Bottom Layer, tented both sides, 525 vias
v2: diameter 24, hole 12, Top Layer to Bottom Layer, 22 vias
v3: diameter 25.98, hole 12.99, Top Layer to Bottom Layer, tented both sides, 16 vias

## Nets (pads, with @x,y where several pads share a name; then routed paths per layer and width w, separated by ;. In a path a pad name is that pad's centre, name@x,y a point inside that pad or via, vN(x,y) a via of type N, cw(c..) or ccw(c..) an arc to the next point about the centre after c; other vN are vias at no path point)
ANT: C15.1 J1.3 | length 895.1
  Top Layer w50: 3716,192 3900.61,192 3962,130.61 3962,-493.07
ANT1: L1.1 L2.2 U1.31 | length 96.4
  Top Layer w9: U1.31@3383.11,7.87 3433.42,7.87 3451.6,-10.3 L2.2@3472,-10.3
ANT2: C5.1 L1.2 U1.32 | length 99.1
  Top Layer w9: U1.32@3383.11,23.62 3432.92,23.62 L1.2@3444,34.7 C5.1@3444,68.3
AVDD: C9.1 C12.2 L5.2 U1.35 U1.36 | length 645
  Top Layer w9: L5.2@3001,114.7 3001,145 3034,178 3034,200 v1(3021,213) ; v1@3016,213 v1@3018.5,210.5 ; v1(3367,165) 3381.31,165 C9.1@3394,152.32 3383.11,141.43 U1.35@3383.11,70.87
  Bottom Layer w9: v1@3016,213 v1@3018.5,215.5 ; v1(3021,213) 3065,257 3275,257 v1(3367,165)
BUTTON1: SW1.2 U4.16 | length 468.1
  Top Layer w6: SW1.2@2909.12,-579.68 3174.87,-579.68 3211.68,-579.68 3315.23,-683.23 U4.16@3315.23,-702.32
BUTTON1_EXT: C49.2 D3.3 R36.1 U7.2 | length 817.4
  Top Layer w6: U7.2@2145.13,-56.48 2147.54,-58.9 2147.54,-96.73 2165,-114.19 2165,-156.69 C49.2@2184,-175.69 ; v1(2610,-271) 2610,-290.44 D3.3@2681,-361.44 2688.87,-369.32 R36.1@2718,-369.32
  Top Layer w10: v1(2184,-208.51) C49.2@2184,-175.69
  Bottom Layer w6: v1(2184,-208.51) 2229,-163.51 2502.51,-163.51 v1(2610,-271)
BUTTON2: SW2.2 U4.4 | length 484.2
  Top Layer w6: v1(3230,-666.89) 3243.38,-680.27 U4.4@3243.38,-693.46 ; v1(3276,-584.94) 3281.26,-579.68 3359.12,-579.68 SW2.2@3624.87,-579.68
  Bottom Layer w6: v1(3230,-666.89) 3276,-620.89 v1(3276,-584.94)
BUTTON2_EXT: C48.1 D4.3 R37.1 U7.3 | length 742.6
  Top Layer w6: U7.3@2160.87,-56.48 2163.29,-58.9 2163.29,-77.73 2168.05,-82.49 2192.7,-82.49 2205,-94.79 2205,-154.69 C48.1@2226,-175.69 ; v1(2566,-257) 2566,-263.41 2607,-304.41 D4.3@2607,-361.44 2614.87,-369.32 R37.1@2644,-369.32
  Top Layer w10: v1(2226,-208.51) C48.1@2226,-175.69
  Bottom Layer w6: v1(2226,-208.51) 2259,-175.51 2484.51,-175.51 v1(2566,-257)
BUTTON3: SW3.1 U4.8 | length 464.3
  Top Layer w6: SW3.1@2909.12,-872.2 v1(3071,-872.2) SW3.1@3174.87,-872.2 ; v1(3196,-772.34) U4.8@3218.77,-749.56
  Bottom Layer w6: v1(3071,-872.2) 3096.13,-872.2 v1(3196,-772.34)
BUTTON3_EXT: C47.1 D5.3 R38.1 U7.4 | length 825.7
  Top Layer w6: U7.4@2176.62,-56.48 2176.62,-62.62 2184.49,-70.49 2223.01,-70.49 2247,-94.47 2247,-154.68 C47.1@2268,-175.69 ; v1(2469,-249) 2479,-259 2535.77,-259 2579,-302.23 2579,-420 2593,-434 2620.56,-434 D5.3@2649,-462.44 2656.87,-470.31 R38.1@2686,-470.31
  Top Layer w10: v1(2268,-208.83) C47.1@2268,-175.69
  Bottom Layer w6: v1(2268,-208.83) 2289.32,-187.51 2407.51,-187.51 v1(2469,-249)
BUTTON4: SW4.1 U4.12 | length 468.3
  Top Layer w6: U4.12@3290.62,-758.42 v1(3315,-782.8) ; SW4.1@3359.12,-872.2 v1(3446,-872.2) SW4.1@3624.87,-872.2
  Bottom Layer w6: v1(3315,-782.8) 3404.4,-872.2 v1(3446,-872.2)